# KiCad board m-blanc.kicad_pcb (continued)
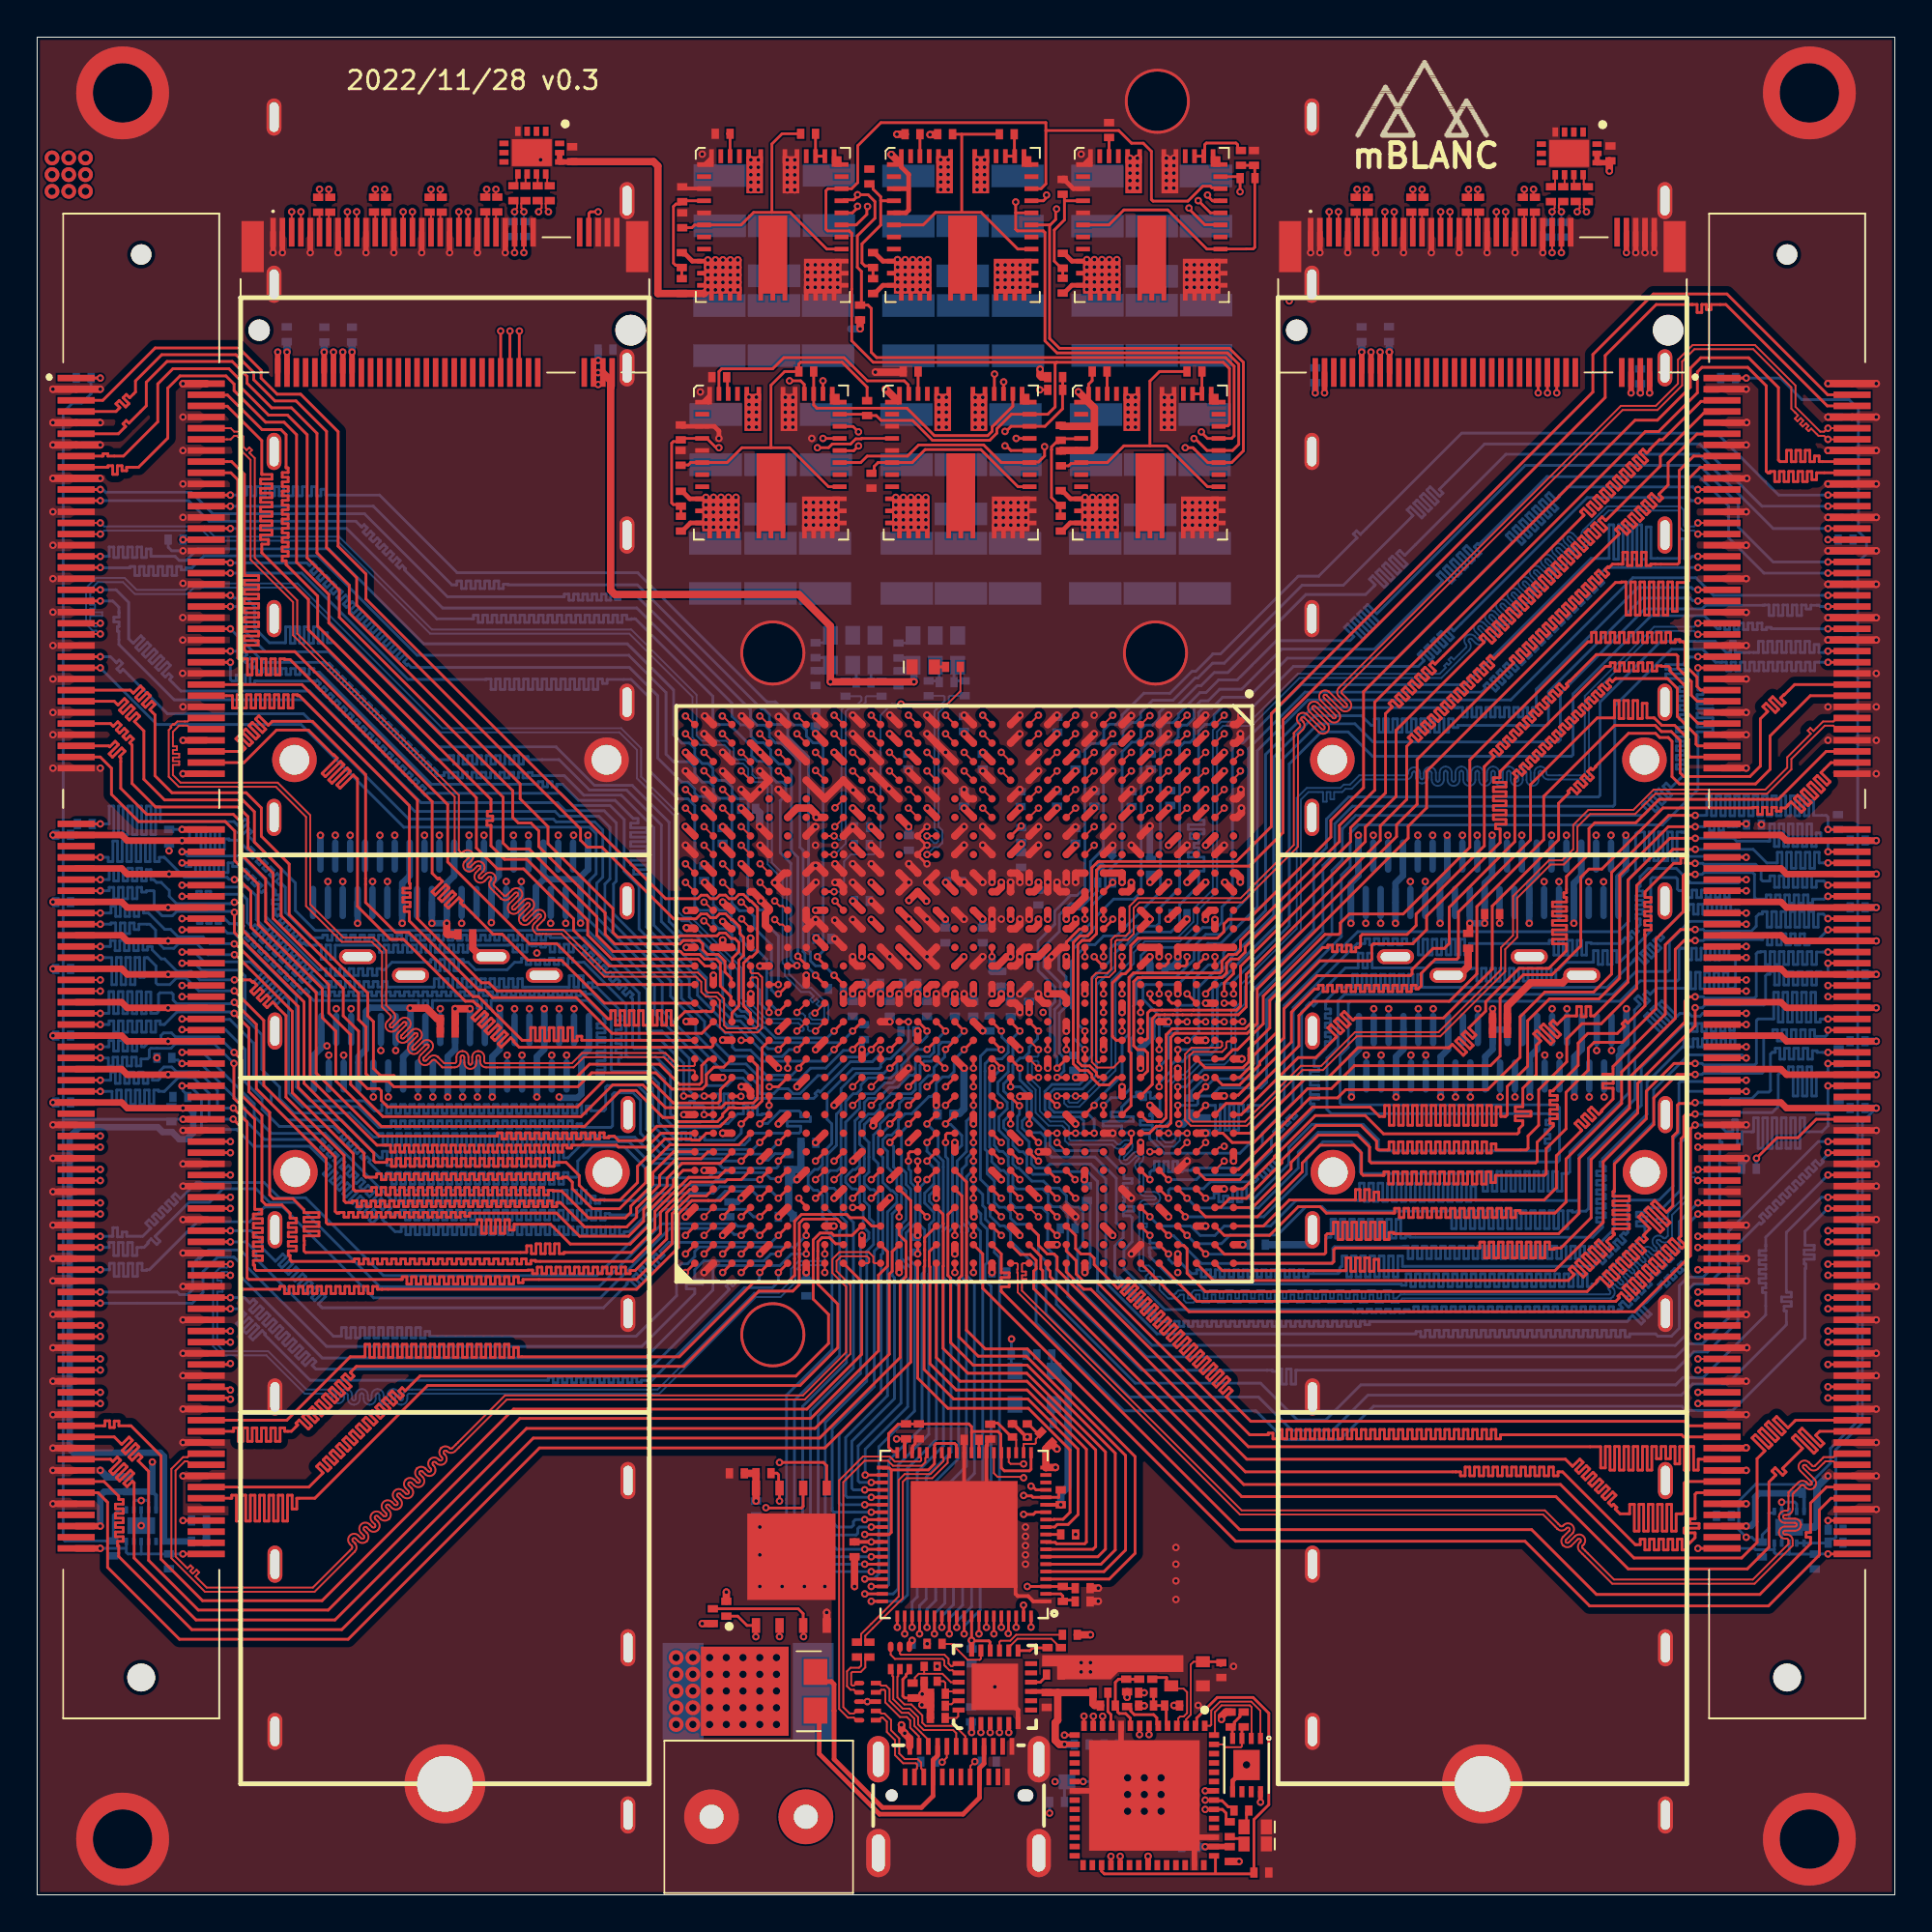
[diagram p0: board, top side]
## Routing (per net, layer and track width the routed paths; a pad name or vN(x,y) marks a point on that pad's centre or on a via; arc(x,y) is an arc through that point) (continued)
DRAM2_DQS4_P: length 71.8
  Top Layer w0.1: U1.M18 53.89,45.51 ; v1(89.4,38.45) DIMM2.137
  Bottom Layer w0.1: 53.9,45.51 53.9,45.18 53.84,45.12 53.55,45.12 53.33,44.89 53.33,43.76 53.75,43.34 53.75,42.1 54.44,41.41 55.17,41.41 55.33,41.26 55.33,40.59 55.54,40.38 57.87,40.38 57.99,40.26 arc(57.99,40.26) 57.99,40.26 arc(58.22,40.16) 58.45,40.26 58.57,40.37 arc(58.71,40.38) 58.71,40.23 58.36,39.88 arc(58.26,39.65) 58.36,39.42 arc(58.36,39.42) 58.36,39.42 arc(58.36,39.42) 58.36,39.42 arc(58.56,39.33) 58.78,39.39 58.78,39.39 59.15,39.76 arc(59.3,39.76) 59.3,39.62 59.19,39.51 arc(59.1,39.28) 59.19,39.05 59.33,38.92 59.33,37.94 arc(59.42,37.71) 59.65,37.61 60.13,37.61 arc(60.2,37.58) 60.23,37.51 arc(60.2,37.44) 60.13,37.41 59.65,37.41 arc(59.42,37.32) 59.33,37.09 59.33,33.66 59.41,33.58 59.68,33.58 59.75,33.65 59.89,33.51 59.68,33.3 59.68,33.11 59.95,32.84 60.14,32.84 60.35,33.05 60.49,32.91 60.42,32.84 60.42,32.57 60.88,32.1 61.33,32.1 61.52,32.29 61.52,32.31 61.72,32.31 61.72,32.01 61.86,31.88 62.24,31.88 62.37,32.01 62.37,32.31 62.57,32.31 62.57,32.01 62.71,31.88 63.09,31.88 63.22,32.01 63.22,32.31 63.42,32.31 63.42,32.01 63.56,31.88 63.94,31.88 64.07,32.01 64.07,32.31 64.27,32.31 64.27,32.01 64.41,31.88 64.79,31.88 64.92,32.01 64.92,32.31 65.12,32.31 65.12,32.01 65.26,31.88 65.64,31.88 65.77,32.01 65.77,32.31 65.97,32.31 65.97,32.01 66.11,31.88 66.49,31.88 66.62,32.01 66.62,32.31 66.82,32.31 66.82,32.01 66.96,31.88 67.34,31.88 67.47,32.01 67.47,32.31 67.67,32.31 67.67,32.01 67.81,31.88 68.19,31.88 68.32,32.01 68.32,32.31 68.52,32.31 68.52,32.01 68.66,31.88 69.04,31.88 69.17,32.01 69.17,32.31 69.37,32.31 69.37,32.01 69.51,31.88 69.89,31.88 70.02,32.01 70.02,32.31 70.22,32.31 70.22,32.01 70.36,31.88 70.74,31.88 70.87,32.01 70.87,32.31 71.07,32.31 71.07,32.01 71.21,31.88 71.59,31.88 71.72,32.01 71.72,32.31 71.92,32.31 71.92,32.01 72.06,31.88 72.44,31.88 72.57,32.01 72.57,32.31 72.77,32.31 72.77,32.01 72.91,31.88 73.29,31.88 73.42,32.01 73.42,32.04 73.48,32.1 84.72,32.1 84.83,32.2 arc(84.92,32.41) 84.86,32.63 84.86,32.63 84.83,32.66 arc(84.83,32.66) 84.83,32.66 84.8,32.69 arc(84.77,32.76) 84.8,32.83 arc(84.87,32.86) 84.94,32.83 arc(84.94,32.83) 84.94,32.83 85.06,32.72 arc(85.52,32.72) 85.52,33.18 85.4,33.29 arc(85.4,33.29) 85.4,33.29 arc(85.37,33.36) 85.4,33.43 arc(85.47,33.46) 85.54,33.43 85.66,33.32 arc(86.12,33.32) 86.12,33.78 86.01,33.89 arc(85.97,33.96) 86,34.03 arc(86.07,34.06) 86.15,34.03 arc(86.15,34.03) 86.15,34.03 86.26,33.92 arc(86.72,33.92) 86.72,34.38 86.61,34.49 arc(86.61,34.49) 86.61,34.49 arc(86.58,34.56) 86.6,34.63 arc(86.68,34.66) 86.75,34.63 86.86,34.52 arc(87.32,34.52) 87.32,34.98 87.21,35.09 arc(87.18,35.16) 87.21,35.24 arc(87.28,35.26) 87.35,35.24 87.35,35.23 arc(87.35,35.23) 87.35,35.23 87.37,35.21 arc(87.6,35.11) 87.83,35.21 88,35.38 88,36.59 88.99,37.58 88.99,38.58 89.05,38.64 89.2,38.64 89.39,38.45 v1(89.4,38.45)
  vias: v1(53.9,45.5)
DRAM2_DQS5_N: length 50.8
  Top Layer w0.1: v1(96.4,33.95) DIMM2.152 ; v1(54.9,40.5) U1.K24
  InLayer2 (Signal) w0.1: v1(54.9,40.5) 54.83,40.5 54.69,40.64 54.46,40.64 54.27,40.83 54.27,41.18 54.66,41.58 55.14,41.58 55.5,41.21 55.5,40.91 55.76,40.65 58.64,40.65 60.55,38.74 60.55,37.69 60.55,37.34 60.79,37.1 67.62,37.1 67.9,37.38 68.91,37.38 71.1,35.19 88.49,35.19 89.17,34.5 90.42,34.5 91.16,33.76 93.46,33.76 arc(93.53,33.79) 93.56,33.86 93.56,34.04 arc(93.66,34.27) 93.89,34.36 arc(94.12,34.27) 94.21,34.04 94.21,33.86 arc(94.24,33.79) 94.31,33.76 96.19,33.76 96.38,33.95 v1(96.4,33.95)
DRAM2_DQS5_P: length 51
  Top Layer w0.1: U1.L23 v1(54.9,41) ; v1(96.4,33.35) DIMM2.154
  InLayer2 (Signal) w0.1: v1(54.9,41) 54.83,41 54.69,40.86 54.55,40.86 54.49,40.92 54.49,41.09 54.76,41.35 55.04,41.35 55.27,41.12 55.27,40.81 55.66,40.42 58.55,40.42 60.33,38.65 60.33,37.78 60.33,37.25 60.7,36.88 67.72,36.88 67.99,37.15 68.81,37.15 71,34.96 88.39,34.96 89.08,34.28 90.32,34.28 91.06,33.54 93.46,33.54 arc(93.69,33.63) 93.79,33.86 93.79,34.04 arc(93.82,34.11) 93.89,34.14 arc(93.96,34.11) 93.99,34.04 93.99,33.86 arc(94.08,33.63) 94.31,33.54 95.35,33.54 95.35,33.21 95.55,33.21 95.55,33.54 95.75,33.54 95.75,33.29 95.95,33.29 95.95,33.54 96.19,33.54 96.38,33.35 v1(96.4,33.35)
DRAM2_DQS6_N: length 53.6
  Top Layer w0.1: v1(89.4,28.85) DIMM2.169 ; U1.M27 v1(53.9,36.5)
  InLayer2 (Signal) w0.1: v1(53.9,36.5) 53.57,36.5 53.51,36.44 53.51,36.08 53.68,36.08 53.68,35.88 53.51,35.88 53.51,35.68 53.69,35.68 53.69,35.48 53.51,35.48 53.51,33.85 59.13,28.23 60.83,28.23 arc(61.06,28.14) 61.15,27.91 61.15,27.59 arc(61.18,27.52) 61.25,27.49 arc(61.32,27.52) 61.35,27.59 61.35,27.91 arc(61.45,28.14) 61.68,28.24 arc(61.91,28.14) 62,27.91 62,27.48 arc(62.03,27.4) 62.1,27.38 arc(62.17,27.4) 62.2,27.48 62.2,27.91 arc(62.3,28.14) 62.53,28.24 arc(62.76,28.14) 62.85,27.91 62.85,27.48 arc(62.88,27.4) 62.95,27.38 arc(63.02,27.4) 63.05,27.48 63.05,27.91 arc(63.15,28.14) 63.38,28.24 arc(63.61,28.14) 63.7,27.91 63.7,27.48 arc(63.73,27.4) 63.8,27.38 arc(63.87,27.4) 63.9,27.48 63.9,27.91 arc(64,28.14) 64.23,28.24 arc(64.46,28.14) 64.55,27.91 64.55,27.48 arc(64.58,27.4) 64.65,27.38 arc(64.72,27.4) 64.75,27.48 64.75,27.91 arc(64.85,28.14) 65.08,28.24 arc(65.31,28.14) 65.4,27.91 65.4,27.48 arc(65.43,27.4) 65.5,27.38 arc(65.57,27.4) 65.6,27.48 65.6,27.91 arc(65.7,28.14) 65.93,28.23 69.16,28.23 70.7,26.7 87.41,26.7 88.78,28.06 88.78,28.43 89.01,28.66 89.29,28.66 89.4,28.77 v1(89.4,28.85) 89.38,28.85
DRAM2_DQS6_P: length 53.4
  Top Layer w0.1: v1(89.4,28.25) DIMM2.171 ; U1.N27 v1(52.9,36.5)
  InLayer2 (Signal) w0.1: 89.34,28.25 v1(89.4,28.25) 89.4,28.33 89.29,28.44 89.1,28.44 89,28.34 89,27.97 87.5,26.48 70.6,26.48 69.07,28.01 65.93,28.01 arc(65.86,27.98) 65.83,27.91 65.83,27.48 arc(65.73,27.25) 65.5,27.15 arc(65.27,27.25) 65.18,27.48 65.18,27.91 arc(65.15,27.98) 65.08,28.01 arc(65.01,27.98) 64.98,27.91 64.98,27.48 arc(64.88,27.25) 64.65,27.15 arc(64.42,27.25) 64.33,27.48 64.33,27.91 arc(64.3,27.98) 64.23,28.01 arc(64.16,27.98) 64.13,27.91 64.13,27.48 arc(64.03,27.25) 63.8,27.15 arc(63.57,27.25) 63.48,27.48 63.48,27.91 arc(63.45,27.98) 63.38,28.01 arc(63.31,27.98) 63.28,27.91 63.28,27.48 arc(63.18,27.25) 62.95,27.15 arc(62.72,27.25) 62.63,27.48 62.63,27.91 arc(62.6,27.98) 62.53,28.01 arc(62.46,27.98) 62.43,27.91 62.43,27.48 arc(62.33,27.25) 62.1,27.15 arc(61.87,27.25) 61.78,27.48 61.78,27.91 arc(61.75,27.98) 61.68,28.01 arc(61.61,27.98) 61.58,27.91 61.58,27.59 arc(61.48,27.36) 61.25,27.26 arc(61.02,27.36) 60.93,27.59 60.93,27.91 arc(60.9,27.98) 60.83,28.01 59.03,28.01 53.29,33.76 53.29,36.44 53.23,36.5 v1(52.9,36.5)
DRAM2_DQS7_N: length 64.5
  Top Layer w0.1: DIMM2.186 96.88,23.75 96.75,23.62 96.75,23.62 96.69,23.56 96.17,23.56 96,23.4 arc(96,23.4) 96,23.4 95.7,23.1 arc(95.63,23.07) 95.56,23.1 95.37,23.28 arc(94.91,23.28) 94.91,22.82 95.51,22.23 arc(95.51,22.23) 95.51,22.23 arc(95.54,22.16) 95.51,22.09 arc(95.51,22.09) 95.51,22.08 arc(95.51,22.08) 95.51,22.08 arc(95.44,22.06) 95.37,22.09 95.26,22.19 arc(95.26,22.19) 95.26,22.19 95.22,22.23 95.22,22.23 arc(95,22.29) 94.8,22.19 94.53,21.92 arc(94.53,21.92) 94.53,21.92 94.28,21.67 94.28,21.47 arc(94.28,21.47) 94.28,21.47 94.28,20.78 arc(94.25,20.7) 94.17,20.68 94.09,20.68 arc(93.86,20.58) 93.76,20.35 arc(93.86,20.12) 94.09,20.03 94.62,20.03 arc(94.69,20) 94.72,19.93 arc(94.69,19.85) 94.62,19.83 94.09,19.83 arc(93.86,19.73) 93.76,19.5 arc(93.86,19.27) 94.09,19.18 94.17,19.18 arc(94.25,19.15) 94.28,19.08 94.28,18.89 92.36,16.97 84.88,16.97 83.47,18.38 83.2,18.66 arc(83.17,18.73) 83.19,18.8 83.27,18.88 83.27,18.88 arc(83.22,19.32) 82.78,19.3 82.44,18.97 arc(82.37,18.94) 82.3,18.97 arc(82.27,19.04) 82.3,19.11 arc(82.3,19.11) 82.3,19.11 82.67,19.48 82.67,19.48 arc(82.62,19.92) 82.17,19.9 82.13,19.86 arc(82.06,19.83) 81.99,19.86 arc(81.99,19.86) 81.99,19.86 81.88,19.98 81.16,20.7 64.84,20.7 53.01,32.52 53.01,32.95 53.25,32.95 53.25,33.15 53.01,33.15 53.01,33.35 53.23,33.35 53.23,33.55 53.01,33.55 53.01,33.94 53.07,34 U1.M30
DRAM2_DQS7_P: length 64
  Top Layer w0.1: U1.N30 52.73,34 52.79,33.94 52.79,33.68 52.76,33.68 52.76,33.48 52.79,33.48 52.79,32.43 64.74,20.47 81.06,20.47 81.83,19.7 arc(82.06,19.61) 82.29,19.7 82.33,19.74 arc(82.48,19.74) 82.48,19.6 arc(82.48,19.6) 82.47,19.6 82.14,19.27 arc(82.14,19.27) 82.14,19.27 arc(82.05,19.04) 82.14,18.81 arc(82.14,18.81) 82.14,18.81 arc(82.35,18.72) 82.56,18.78 82.57,18.78 82.93,19.14 arc(83.08,19.14) 83.08,19 arc(83.08,19) 83.08,19 83.04,18.96 arc(82.94,18.73) 83.04,18.5 83.2,18.34 arc(83.2,18.34) 83.2,18.34 84.79,16.75 92.45,16.75 94.5,18.8 94.5,19.08 arc(94.4,19.31) 94.17,19.4 94.09,19.4 arc(94.02,19.43) 93.99,19.5 arc(94.02,19.57) 94.09,19.6 94.62,19.6 arc(94.85,19.7) 94.95,19.93 arc(94.85,20.16) 94.62,20.25 94.09,20.25 arc(94.02,20.28) 93.99,20.35 arc(94.02,20.42) 94.09,20.45 94.17,20.45 arc(94.4,20.55) 94.5,20.78 94.5,21.47 arc(94.5,21.47) 94.5,21.47 94.5,21.58 94.68,21.76 arc(94.69,21.76) 94.69,21.76 94.96,22.03 arc(95.03,22.06) 95.1,22.03 95.21,21.93 arc(95.44,21.83) 95.67,21.93 arc(95.76,22.16) 95.67,22.39 95.07,22.98 arc(95.07,22.98) 95.07,22.98 arc(95.04,23.05) 95.07,23.12 arc(95.14,23.15) 95.21,23.12 95.4,22.94 arc(95.63,22.84) 95.86,22.94 96.26,23.34 96.69,23.34 96.75,23.28 96.75,23.28 96.88,23.15 DIMM2.188
DRAM2_EVENT#: length 1.9
  Top Layer w0.15: v1(96.4,20.15) DIMM2.198
  Bottom Layer w0.15: 96.41,19.58 96.41,19.59 96.41,20.14 v1(96.4,20.15)
DRAM2_ODT0: length 71.8
  Top Layer w0.15: v1(89.25,42.03) 89.21,41.99 88.73,41.99 88.64,41.9 88.64,40.84 88.49,40.69 88.49,35.47 88.36,35.33 88.72,34.97 88.54,34.8 88.01,35.33 87.83,35.15 88.36,34.62 88.19,34.44 87.65,34.98 87.48,34.8 88.01,34.27 87.83,34.09 87.3,34.62 87.12,34.45 87.65,33.91 87.48,33.74 86.95,34.27 86.77,34.09 87.3,33.56 87.12,33.38 86.59,33.92 86.42,33.74 86.95,33.21 86.77,33.03 86.24,33.56 86.06,33.38 86.59,32.85 86.42,32.68 85.89,33.21 85.71,33.03 86.24,32.5 86.06,32.32 85.53,32.85 85.36,32.68 85.89,32.15 85.71,31.97 85.27,32.41 85.09,32.23 85.18,32.15 84.98,31.95 62.42,31.95 60.4,33.97 U1.E30 ; v1(96.4,44.75) DIMM2.116
  Bottom Layer w0.15: v1(89.25,42.03) 90.94,42.03 91.02,42.11 93.41,42.11 93.72,42.43 93.72,44.16 93.81,44.25 94.28,44.25 94.28,44.58 94.53,44.58 94.53,43.01 94.78,43.01 94.78,44.58 95.03,44.58 95.03,43.01 95.28,43.01 95.28,44.58 95.53,44.58 95.53,43.01 95.78,43.01 95.78,44.25 96.31,44.25 96.4,44.33 v1(96.4,44.75) 96.4,44.75 97.06,44.75
DRAM2_ODT1: length 72.3
  Top Layer w0.15: v1(89.25,41.44) 89.21,41.44 89,41.23 89,34.4 85.99,31.39 62.01,31.39 U1.F30 ; v1(96.4,43.55) DIMM2.120
  Bottom Layer w0.15: 96.94,43.55 96.94,43.55 96.4,43.55 v1(96.4,43.55) 96.4,42.33 95.78,42.33 95.78,42.08 96.4,42.08 96.4,41.4 96.08,41.08 95.14,41.08 95.14,41.83 94.89,41.83 94.89,40.18 94.64,40.18 94.64,41.83 94.39,41.83 94.39,40.18 94.14,40.18 94.14,41.83 93.89,41.83 93.89,40.18 93.64,40.18 93.64,41.83 93.39,41.83 93.39,40.18 93.14,40.18 93.14,41.83 92.89,41.83 92.89,40.18 92.64,40.18 92.64,41.83 92.39,41.83 92.39,41.08 91.78,41.08 91.78,40.41 91.53,40.41 91.53,41.72 91.28,41.72 91.28,41.08 90.92,41.08 90.56,41.44 v1(89.25,41.44)
DRAM2_RAS#: length 66.7
  Top Layer w0.15: v1(89.25,44.16) 88.29,44.16 87.03,42.89 87.03,41.47 84.9,39.34 84.9,37.86 84.83,37.86 84.83,37.61 85.71,37.61 85.71,37.36 84.83,37.36 84.83,37.11 85.71,37.11 85.71,36.86 84.83,36.86 84.83,36.61 85.71,36.61 85.71,36.36 84.83,36.36 84.83,36.11 85.71,36.11 85.71,35.86 84.83,35.86 84.83,35.61 84.9,35.61 84.9,35.54 84.68,35.33 84.66,35.36 84.48,35.18 84.82,34.84 84.64,34.66 84.05,35.26 83.87,35.08 84.47,34.49 84.29,34.31 83.7,34.9 83.52,34.72 84.11,34.13 83.93,33.96 83.34,34.55 83.17,34.37 83.76,33.78 83.58,33.6 82.99,34.19 82.81,34.02 83.4,33.43 83.23,33.25 82.64,33.84 82.46,33.66 82.74,33.38 82.43,33.07 63.33,33.07 U1.C30 ; v1(96.4,46.55) DIMM2.110
  Bottom Layer w0.15: v1(89.25,44.16) 89.62,44.16 89.68,44.23 92.85,44.23 92.94,44.31 92.94,46.12 93.03,46.21 93.43,46.21 93.43,46.57 93.68,46.57 93.68,45.97 93.93,45.97 93.93,46.57 94.18,46.57 94.18,45.97 94.43,45.97 94.43,46.57 94.68,46.57 94.68,45.97 94.93,45.97 94.93,46.57 95.18,46.57 95.18,45.97 95.43,45.97 95.43,46.57 95.68,46.57 95.68,46.21 96.26,46.21 96.35,46.3 96.35,46.5 v1(96.4,46.55)
DRAM2_RESET#: length 77.8
  Top Layer w0.15: v1(96.4,72.95) DIMM2.30 ; v1(59.9,40) U1.E24
  InLayer4 (GND) w0.1: v1(96.4,72.95) 98.09,71.26 98.09,38.22 98.03,38.16 95.95,38.16 95.65,37.87 89.07,37.87 88.3,37.1 67.2,37.1 65.8,38.5 61.4,38.5 v1(59.9,40)
  Bottom Layer w0.15: 97.1,72.95 96.4,72.95 v1(96.4,72.95)
DRAM2_VTT: length 10.8
  Top Layer w0.15: v1(89.4,18.65) DIMM2.203 ; v1(96.4,18.35) DIMM2.204
  Bottom Layer w0.15: U8.3 94.31,18.94 94.31,18.34 ; v1(89.4,18.65) 92.44,18.65 92.51,18.58 93.51,18.58 ; 95.7,18.35 v1(96.4,18.35) ; 93.51,18.58 93.51,18.43 93.6,18.34 94.31,18.34 ; 93.51,18.58 U8.5 ; 94.31,18.34 C27.1
DRAM2_VTTREF: length 173.3
  Top Layer w0.15: DIMM2.126 95.77,41.75 94.77,40.76 93.65,40.76 v1(92.55,39.65) ; U1.M20 v1(53.9,44) ; U1.L28 v1(54.9,35.5) ; DIMM2.1 v1(92,81.65) ; U1.C20 v1(62.9,44) ; v1(55.4,45.5) U1.K18
  InLayer3 (PWR) w0.1: 55.4,45.51 54.99,45.51 54.62,45.88 52.59,45.88 52.53,45.82 52.53,43.87 52.89,43.51 52.91,43.51 ; 52.91,43.51 53.06,43.51 53.55,44 v1(53.9,44) ; 52.91,43.51 52.41,43.01 52.41,41.98 52.75,41.64 52.75,41.36 52.5,41.11 52.5,39.91 52.56,39.85 53.43,39.85 53.49,39.79 53.49,37.42 53.55,37.36 53.55,37.36 54.9,36.01 v1(54.9,35.5)
  InLayer3 (PWR) w0.15: 92.78,33.83 91.52,33.83 91.32,34.03 61.49,34.03 61.4,33.94 v1(61.4,33.5) ; v1(92.55,39.65) 92.78,39.42 92.78,20.03 v1(92,19.25)
  InLayer4 (GND) w0.1: v1(55.4,45.5) 56.9,44 v1(62.9,44)
  InLayer4 (GND) w0.15: v1(54.9,35.5) 54.93,35.5 56.93,33.5 v1(61.4,33.5)
  Bottom Layer w0.15: 91.59,20.42 91.59,19.66 v1(92,19.25) 92.3,19.25 92.44,19.11 92.72,19.11 C29.2 92.86,19 92.86,19.38 93.21,19.73 93.21,20.55 93.49,20.55 93.51,20.58 U8.6 ; 91.59,20.42 91.59,21.19 92.5,22.09 95.39,22.09 96.53,23.24 96.53,24.03 98,25.5 98,71.72 98.48,72.19 98.48,72.95 98.04,73.39 98.04,79.99 97.54,80.49 95,80.49 93.84,81.65 v1(92,81.65) 91.43,81.65 C23.2 ; 91.59,20.42 91.57,20.4 C24.2 ; 92.55,39.18 92.55,39.18 ; v1(55.4,45.5) 55.44,45.5 55.75,45.19 C173.2 ; v1(62.9,44) 62.87,44 62.13,43.26 62.13,43.02 62.01,42.89 C172.2
  Bottom Layer w0.2: 92.55,39.18 v1(92.55,39.65)
DRAM2_WE#: length 66.8
  Top Layer w0.15: U1.C29 v1(62.9,34.5) ; DIMM2.113 v1(92,45.65)
  Bottom Layer w0.15: 62.91,34.49 69.28,34.49 69.37,34.58 69.37,35.31 69.45,35.4 69.65,35.4 69.65,36.37 69.9,36.37 69.9,35.36 70.15,35.36 70.15,36.37 70.4,36.37 70.4,35.36 70.65,35.36 70.65,36.37 70.9,36.37 70.9,35.36 71.15,35.36 71.15,36.37 71.4,36.37 71.4,35.36 71.65,35.36 71.65,36.37 71.9,36.37 71.9,35.36 72.15,35.36 72.15,36.37 72.4,36.37 72.4,35.36 72.65,35.36 72.65,36.37 72.9,36.37 72.9,35.36 73.15,35.36 73.15,36.37 73.4,36.37 73.4,35.36 73.65,35.36 73.65,35.45 73.9,35.45 73.9,35.4 83.73,35.4 84.26,35.93 84.26,36.21 83.95,36.21 83.95,36.46 84.42,36.46 84.42,36.71 83.95,36.71 83.95,36.96 84.42,36.96 84.42,37.21 83.95,37.21 83.95,37.46 84.42,37.46 84.42,37.71 83.95,37.71 83.95,37.96 84.42,37.96 84.42,38.21 83.95,38.21 83.95,38.46 84.42,38.46 84.42,38.71 83.95,38.71 83.95,38.96 84.42,38.96 84.42,39.21 84.14,39.21 84.14,39.46 84.26,39.46 84.26,39.63 86.66,42.03 86.66,43.74 88.57,45.65 88.64,45.65 88.64,46.08 88.89,46.08 88.89,45.65 89.14,45.65 89.14,46.08 89.39,46.08 89.39,45.65 89.64,45.65 89.64,46.08 89.89,46.08 89.89,45.65 90.14,45.65 90.14,46.08 90.39,46.08 90.39,45.65 90.64,45.65 90.64,46.08 90.89,46.08 90.89,45.65 91.14,45.65 91.14,46.08 91.39,46.08 91.39,45.65 v1(92,45.65)
FLASH_CLK: length 49.1
  Top Layer w0.15: v1(39.23,20.84) 39.24,20.83 41.15,20.83 41.23,20.91 U6.6 ; v1(57.4,50.5) U1.H13
  InLayer1 (GND) w0.1: v1(39.23,20.84) 39.23,23.35 39.8,23.92 40.45,23.92 45.1,28.57 45.1,31.92 46.05,32.87 46.05,33.77 47.05,34.77 47.05,35.64 47.45,36.05 47.45,37.09 47.8,37.43 47.8,37.64 48.04,37.87 48.25,37.87 48.45,38.07 48.45,38.89 48.24,39.1 46.7,39.1 46.5,39.3 46.5,46.1 47.3,46.9 53.4,46.9 53.8,47.3 53.8,47.88 53.92,48.01 54.85,48.01 56,49.16 56,50.7 56.2,50.9 57,50.9 v1(57.4,50.5)
FLASH_CS: length 32.2
  Top Layer w0.15: U1.V26 v1(47.4,38.5) ; R18.1 37.71,15 38.21,14.5 U6.1 38.69,14.49 v1(38.69,13.9)
  InLayer1 (GND) w0.1: v1(47.4,38.5) 47.4,37.6 47.05,37.25 47.05,36.21 46.65,35.81 46.65,34.95 45.65,33.95 45.65,33.03 44.7,32.08 44.7,28.74 40.28,24.32 39.63,24.32 38.83,23.52 38.83,21.81 38.77,21.75 38.47,21.75 38.1,21.38 38.1,16.21 38.69,15.62 v1(38.69,13.9)
FLASH_IO0: length 21
  Top Layer w0.15: v1(50.4,33.5) U1.R30 ; 40.03,23.2 40.11,23.28 42.33,23.28 42.5,23.1 42.5,21.9
  InLayer1 (GND) w0.1: v1(39.96,23.28) 40.39,23.28 45.5,28.38 45.5,31.75 46.65,32.9 49.88,32.9 50.4,33.43 v1(50.4,33.5)
FLASH_IO1: length 26.7
  Top Layer w0.15: U6.2 39.96,14.5 v1(39.96,13.9) ; v1(49.4,33.5) U1.T30
  InLayer1 (GND) w0.1: 49.38,33.44 49.04,33.1 46.57,33.1 45.3,31.83 45.3,28.49 40.48,23.67 39.83,23.67 39.58,23.42 39.58,14.28 v1(39.96,13.9)
FLASH_IO2: length 35.2
  Top Layer w0.15: U1.R28 50.41,35.99 50.41,35.51 50.42,35.5 ; v1(41.25,13.9) 41.25,14.48 U6.3 41.23,15.14 40.97,15.4 36.39,15.4 36.37,15.38
  InLayer1 (GND) w0.1: v1(41.25,13.9) 40.6,14.55 40.6,22.92 45.9,28.22 45.9,31.59 46.81,32.5 50.28,32.5 50.98,33.2 50.98,33.93 50.42,34.48 50.42,35.5
  vias: v1(50.4,35.5)
FLASH_IO3: length 24.2
  Top Layer w0.15: R19.1 39.83,22.7 39.91,22.61 39.91,21.95 U6.7 39.96,21.9 v1(39.96,21.2) ; v1(49.4,35.5) U1.T28
  InLayer1 (GND) w0.1: 49.42,35.5 49.9,35.5 50.23,35.17 50.23,34.4 50.78,33.85 50.78,33.28 50.19,32.7 46.73,32.7 45.7,31.67 45.7,28.3 40.33,22.93 40.03,22.93 39.96,22.86 v1(39.96,21.2)
FT_BE0: length 31.3
  Top Layer w0.15: U1.T25 50.03,38.38 50.03,30.4 51.04,29.39 53.31,29.39 59.1,23.59 59.1,18.39 57.71,17 U4.4
FT_BE1: length 29.7
  Top Layer w0.15: U1.T26 49.78,37.62 49.78,33.34 49.62,33.19 49.62,30.04 50.66,29 53.24,29 58.59,23.65 58.59,18.56 57.43,17.4 U4.5
FT_BE2: length 28.1
  Top Layer w0.15: U4.6 57.27,17.8 58.04,18.57 58.04,23.77 53.29,28.52 50.38,28.52 49.17,29.73 49.17,33.2 49.03,33.34 49.03,36.62 U1.T27
FT_BE3: length 27.4
  Top Layer w0.15: U4.7 57.1,18.2 57.51,18.61 57.51,23.84 53.27,28.08 50.1,28.08 48.76,29.42 48.76,33.83 48.78,33.84 48.78,36.16 48.76,36.17 48.76,36.64 U1.U27
FT_CLK: length 33.5
  Top Layer w0.15: v1(46.3,14.4) U4.58 ; v1(45.9,45.5) U1.W18
  InLayer2 (Signal) w0.15: v1(45.9,45.5) 46.28,45.12 46.28,41.8 46.27,40.34 45.85,39.92 45.85,39.08 46.28,38.66 46.28,38.04 46.27,37.37 46.03,37.12 46.03,33.34 46.28,33.09 46.28,25.25 45.83,24.81 45.83,24.28 46.27,23.84 46.27,14.43 v1(46.3,14.4)
FT_D0: length 22.3
  Top Layer w0.15: v1(46.9,41.5) U1.V22 ; v1(44.58,22.6) U4.40
  Bottom Layer w0.15: v1(44.58,22.6) 44.58,23.99 46.86,26.28 46.86,33.08 47.03,33.24 47.03,33.76 46.53,34.26 46.53,35.74 47.03,36.24 47.03,37.99 46.78,38.24 46.78,38.86 46.52,39.11 46.52,41.07 46.9,41.45 v1(46.9,41.5)
FT_D1: length 22.1
  Top Layer w0.15: v1(45.9,40.5) U1.W23 ; v1(44.9,22.2) U4.41
  Bottom Layer w0.15: v1(44.9,22.2) 44.28,22.2 44.19,22.29 44.19,24.17 46.5,26.47 46.5,33.07 46.78,33.34 46.78,33.66 46.28,34.16 46.28,35.84 46.78,36.34 46.78,37.89 46.53,38.14 46.53,38.76 46.1,39.18 46.1,40.29 45.9,40.49 v1(45.9,40.5)
FT_D2: length 30.1
  Top Layer w0.15: v1(44.55,21.8) U4.42 ; v1(49.9,45.5) U1.R18
  Bottom Layer w0.15: v1(44.55,21.8) 43.94,21.8 43.86,21.89 43.86,24.42 46.15,26.71 46.15,33.22 46.03,33.34 46.03,36.66 46.53,37.16 46.53,37.78 46.28,38.03 46.28,38.66 45.77,39.16 45.77,40.02 45.52,40.27 45.52,40.66 45.77,40.9 46,40.9 46.36,41.26 46.36,41.69 46.72,42.05 47.08,42.05 48,42.97 48.15,42.97 48.4,43.22 48.4,43.69 48.74,44.03 49.08,44.03 49.36,44.31 49.36,44.96 v1(49.9,45.5)
FT_D3: length 24.6
  Top Layer w0.15: v1(45.9,41.5) U1.W22 ; v1(44.9,21.4) U4.43
  Bottom Layer w0.15: v1(45.9,41.5) 45.9,41.43 45.79,41.32 45.79,41.31 45.27,40.8 45.27,39.95 45.52,39.7 45.52,38.34 45.96,37.91 46.05,37.91 46.27,37.68 46.27,37.26 45.78,36.76 45.78,26.87 43.52,24.62 43.52,21.49 43.61,21.4 v1(44.9,21.4)
FT_D4: length 30.9
  Top Layer w0.15: v1(48.9,45.51) 48.9,45.51 49.4,46 U1.T18 ; v1(44.55,21) U4.44
  Bottom Layer w0.15: v1(48.9,45.51) 48.85,45.46 48.85,45.1 48.28,44.53 48.28,44.21 48.16,44.1 47.97,44.1 47.52,43.66 47.52,43.1 47.3,42.87 46.67,42.87 46.41,42.61 46.41,42.32 46.09,42 45.87,42 45.37,41.5 45.37,41.25 45.02,40.9 45.02,39.62 45.27,39.37 45.27,38.13 45.52,37.88 45.52,37.84 45.52,37.84 45.52,37.38 45.53,34.54 45.43,34.45 45.43,27.03 43.17,24.77 43.17,21.09 43.26,21 v1(44.55,21)
FT_D5: length 27.7
  Top Layer w0.15: v1(44.9,20.6) U4.45 ; v1(45.9,42.5) U1.W21
  Bottom Layer w0.15: v1(45.9,42.5) 45.18,41.78 44.84,41.78 44.53,41.46 44.53,40.75 44.77,40.5 44.77,38.91 44.52,38.66 44.52,38.28 44.84,37.96 45.04,37.96 45.27,37.73 45.27,37.28 45.28,34.86 45.06,34.65 45.06,27.36 42.8,25.1 42.8,20.69 42.89,20.6 v1(44.9,20.6)
FT_D6: length 35.7
  Top Layer w0.15: v1(44.55,20.2) U4.46 ; U1.T17 v1(49.9,46.5)
  Bottom Layer w0.15: v1(44.55,20.2) 44.04,20.2 43.94,20.1 43.94,19.9 43.84,19.8 43.07,19.8 42.42,20.45 42.42,25.43 44.66,27.66 44.66,34.64 45.03,35.01 45.03,36.2 44.8,36.43 44.8,37.07 44.52,37.34 44.52,37.93 44.27,38.18 44.27,38.91 44.52,39.16 44.52,40.15 44.28,40.4 44.28,41.57 44.74,42.03 45.08,42.03 45.38,42.33 45.38,42.53 45.97,43.12 47.06,43.12 47.27,43.34 47.27,43.85 47.53,44.1 47.53,44.66 47.75,44.88 48.15,44.88 48.53,45.25 48.53,45.73 48.7,45.9 49.3,45.9 v1(49.9,46.5)
FT_D7: length 36.4
  Top Layer w0.15: v1(44.9,19.8) U4.47 ; U1.U17 v1(48.9,46.5)
  Bottom Layer w0.15: v1(44.9,19.8) 44.26,19.8 44.17,19.71 44.17,19.46 44.09,19.37 42.92,19.37 42.04,20.24 42.04,25.78 44.32,28.06 44.32,34.89 44.78,35.34 44.78,35.66 44.46,35.97 44.46,37.05 44.27,37.24 44.27,37.83 44.1,38 43.87,38 43.52,38.34 43.52,38.66 43.91,39.04 44.04,39.04 44.27,39.27 44.27,39.66 44.02,39.91 44.02,41.67 44.52,42.17 44.52,42.66 44.74,42.88 45.29,42.88 45.87,43.46 46.31,43.46 46.97,44.12 47.17,44.12 47.28,44.23 47.28,44.86 47.54,45.12 48.05,45.12 48.28,45.35 48.28,45.88 v1(48.9,46.5)
FT_D8: length 34.6
  Top Layer w0.15: v1(47.9,45.51) 47.9,45.51 48.4,46 U1.U18 ; v1(44.55,18.6) U4.50
  Bottom Layer w0.15: v1(47.9,45.51) 47.38,45.51 46.53,44.65 46.53,44.2 46.04,43.71 45.64,43.71 45.06,43.12 44.56,43.12 44.27,42.84 44.27,42.34 43.52,41.59 43.52,39.01 43.27,38.76 43.27,38.24 43.52,37.99 43.52,36.61 43.94,36.2 43.94,28.35 41.63,26.04 41.63,20.02 43.05,18.6 v1(44.55,18.6)
FT_D9: length 37.4
  Top Layer w0.15: v1(44.9,18.2) U4.51 ; v1(47.9,46.5) 47.9,46.53 47.43,47 U1.V17
  Bottom Layer w0.15: v1(44.9,18.2) 42.83,18.2 41.21,19.82 41.21,26.3 43.57,28.66 43.57,36.22 43.27,36.51 43.27,37.66 42.89,38.04 42.6,38.04 42.52,38.11 42.52,38.82 42.7,38.99 43.06,38.99 43.27,39.2 43.27,41.78 43.52,42.03 43.52,42.72 43.93,43.12 44.12,43.12 44.35,43.35 44.35,43.6 44.72,43.98 45.95,43.98 46.28,44.3 46.28,44.9 47.3,45.92 47.6,45.92 47.89,46.21 47.89,46.49 v1(47.9,46.5)
FT_D10: length 35
  Top Layer w0.15: v1(45.9,44.5) U1.W19 ; v1(44.55,17.8) U4.52
  Bottom Layer w0.15: v1(44.55,17.8) 42.57,17.8 40.76,19.61 40.76,26.62 43.2,29.05 43.2,35.73 43.32,35.85 43.32,36.11 42.52,36.91 42.52,37.76 42.27,38.01 42.27,38.95 42.52,39.2 42.52,39.84 43.02,40.34 43.02,42.02 43.27,42.27 43.27,43.41 44.09,44.23 45.57,44.23 45.85,44.5 v1(45.9,44.5)
FT_D11: length 39.3
  Top Layer w0.15: U1.W17 v1(46.9,47) ; v1(44.9,17.4) U4.53
  Bottom Layer w0.15: v1(46.9,47) 46.9,45.97 45.93,45 45.7,45 45.41,44.71 45.41,44.56 45.32,44.48 43.9,44.48 42.52,43.1 42.52,41.75 42.77,41.5 42.77,40.44 42.27,39.94 42.27,39.3 42.02,39.05 41.85,39.05 41.5,38.7 41.5,38.22 41.8,37.93 42,37.93 42.27,37.66 42.27,36.53 42.5,36.3 42.5,35.7 42.79,35.41 42.79,29.35 40.34,26.9 40.34,19.39 42.32,17.4 v1(44.9,17.4)
FT_D12: length 26.4
  Top Layer w0.15: U1.V24 46.99,40 46.9,39.91 v1(46.9,39.5) ; v1(44.55,17) U4.54
  Bottom Layer w0.15: v1(46.9,39.5) 46.92,39.48 46.92,39.07 47.03,38.97 47.03,38.34 47.28,38.09 47.28,36.13 46.78,35.63 46.78,34.38 47.28,33.88 47.28,33.14 47.23,33.09 47.23,26.04 45.31,24.12 45.31,17.28 45.06,17.03 44.58,17.03 v1(44.55,17)
